# KiCad board motordecoder2-k3066v3-p.kicad_pcb (continued)
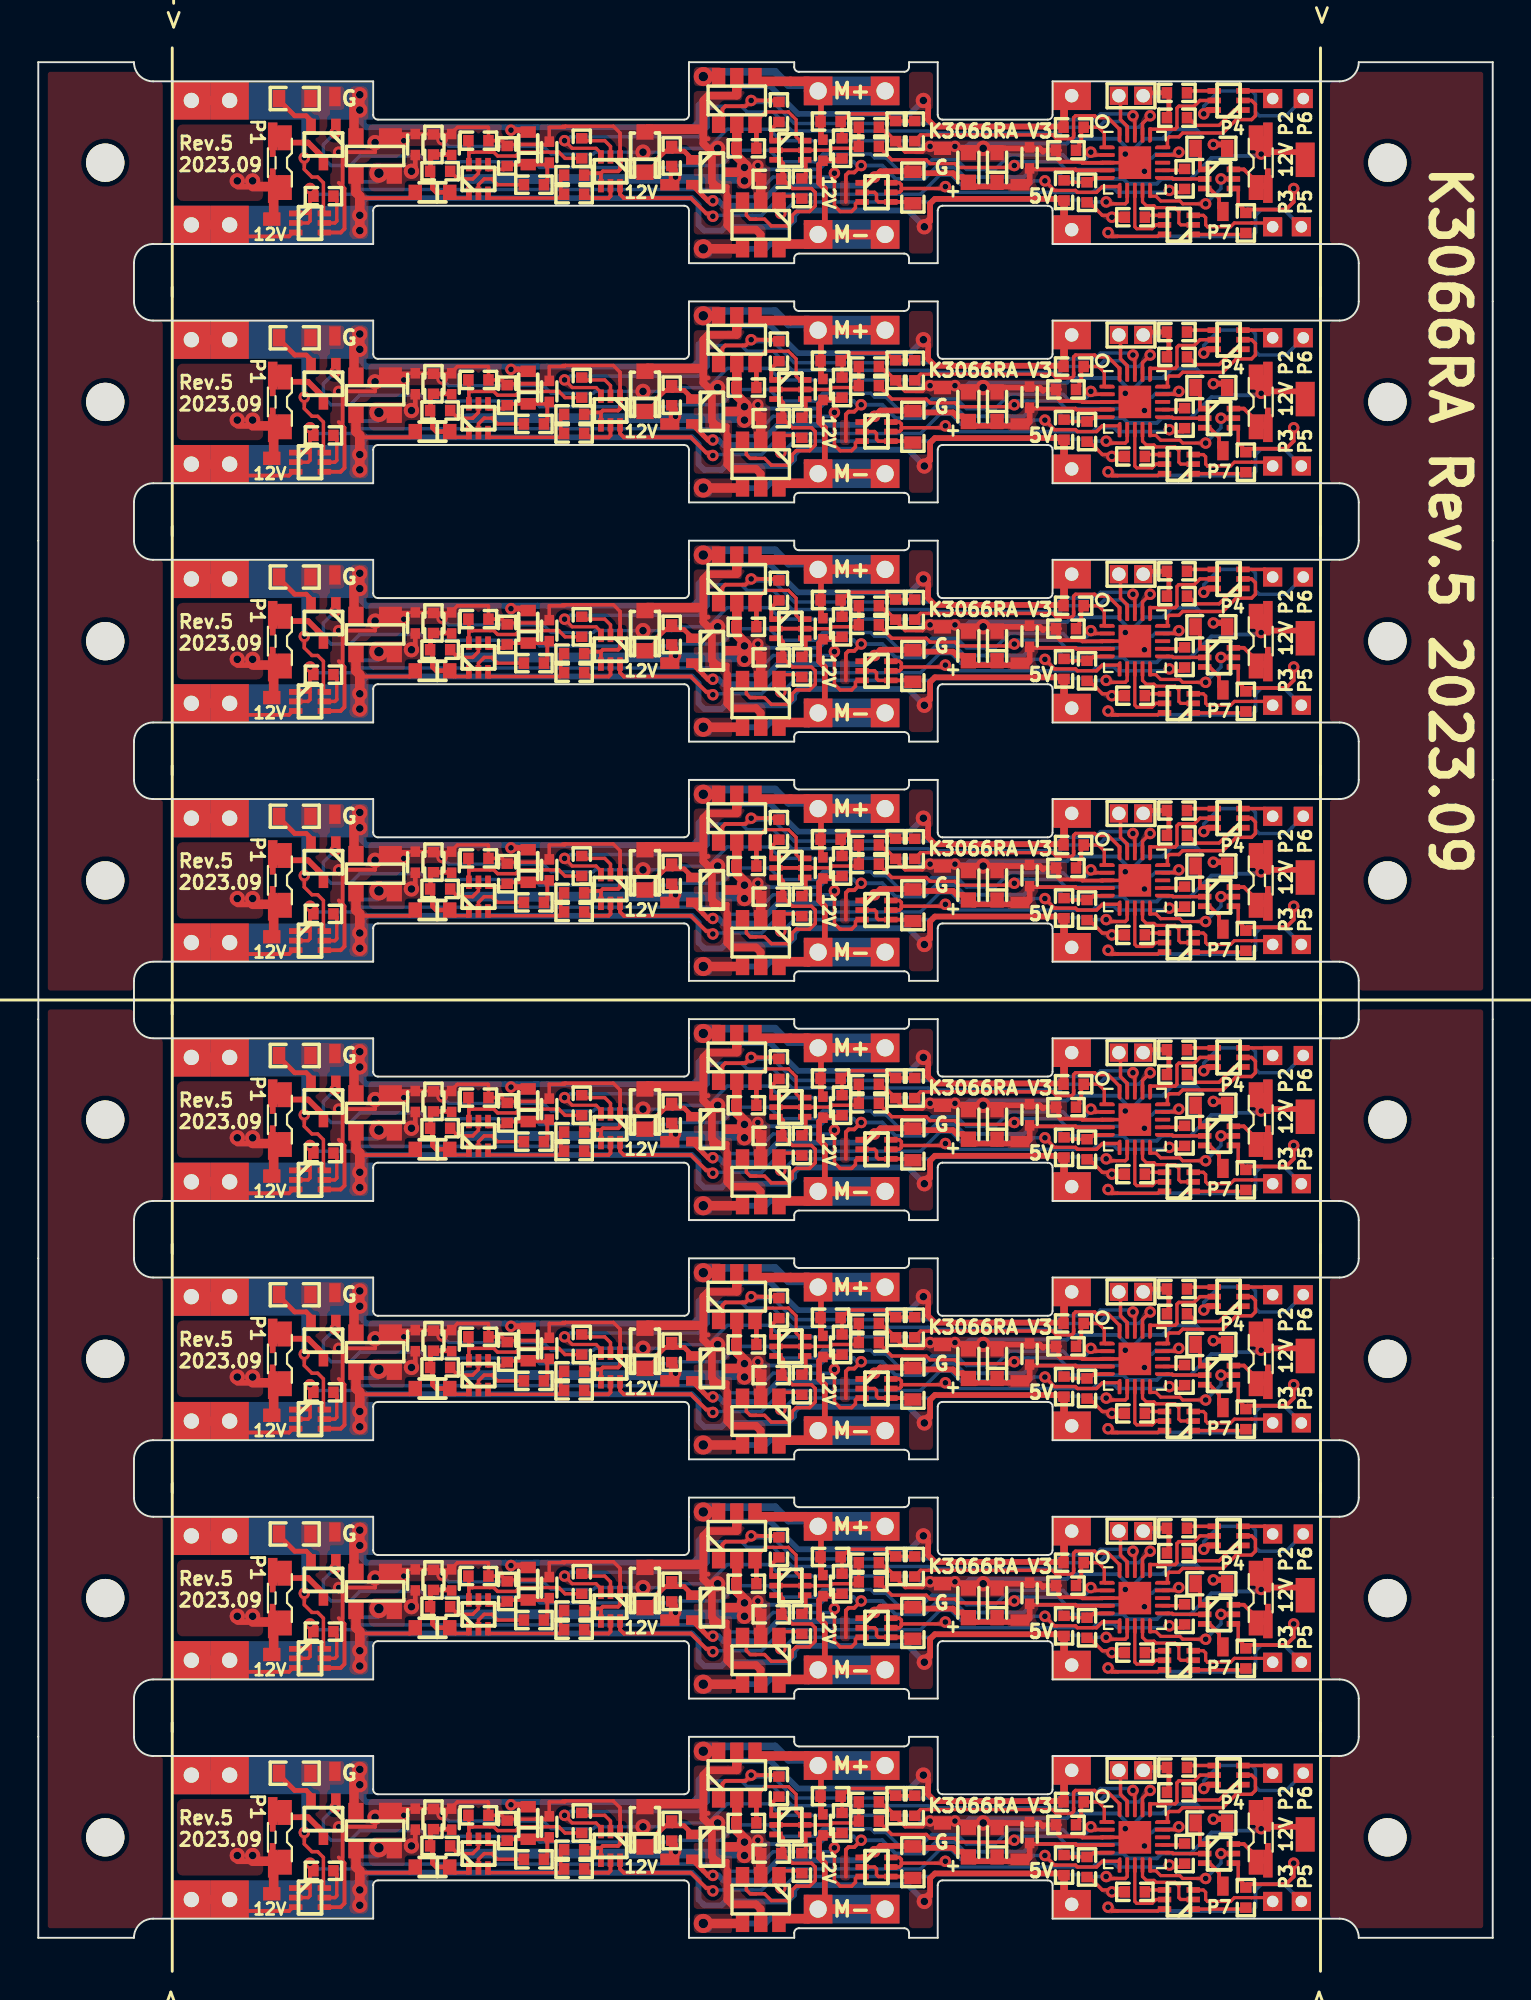
[diagram p0: board, top side]
## Routing (per net, layer and track width the routed paths; a pad name or vN(x,y) marks a point on that pad's centre or on a via; arc(x,y) is an arc through that point) (continued)
GND: length 903
  Top w0.18: 62.7,28.9 62.7,28.1 63.07,27.72 ; 27.55,7.15 27.5,7.1 26.7,7.1 C55.2 26.55,6.2 26.1,6.2 ; 27.55,7.15 27.4,7.15 ; 27.55,7.15 30.05,7.15 30.4,6.8 ; D9.1 18.55,44.25 C29.2 20.62,44.25 R158.2 21.57,44.22 C35.2 21.6,44.3 21.9,44.6 23.5,44.6 23.53,44.58 R155.2 24.22,43.9 R154.2 24.57,43.7 26.1,43.7 ; 26.1,68.7 24.57,68.7 R90.2 24.22,68.9 R91.2 23.53,69.58 23.5,69.6 21.9,69.6 21.6,69.3 C21.2 21.57,69.22 R94.2 20.62,69.25 C15.2 18.55,69.25 D5.1 ; 26.1,68.7 26,68.7 ; 26.1,68.7 26.55,68.7 C20.2 26.7,69.6 27.5,69.6 27.55,69.65 ; 47.3,31.1 46.5,31.1 46.2,30.8 45.3,30.8 44.72,31.38 44.7,31.38 ; 30.4,69.3 30.05,69.65 27.55,69.65 ; 54.7,28.28 54.82,28.28 55.6,27.5 56,27.5 v3(56.1,27.4) ; 27.4,82.15 27.55,82.15 ; 27.55,82.15 30.05,82.15 30.4,81.8 ; 27.55,82.15 27.5,82.1 26.7,82.1 C13.2 26.55,81.2 26.1,81.2 ; 62.7,66.4 62.7,65.6 63.07,65.22 ; 27.55,19.65 27.5,19.6 26.7,19.6 C48.2 26.55,18.7 26.1,18.7 ; 27.55,19.65 30.05,19.65 30.4,19.3 ; 27.55,19.65 27.4,19.65 ; 26,6.2 26.1,6.2 ; 26.1,6.2 24.57,6.2 R250.2 24.22,6.4 R251.2 23.53,7.07 23.5,7.1 21.9,7.1 21.6,6.8 C56.2 21.57,6.72 R254.2 20.62,6.75 C50.2 18.55,6.75 D43.1 ; 63.07,2.72 62.9,2.9 ; 63.07,2.72 62.7,3.1 62.7,3.9 ; 63.07,2.72 63.1,2.72 ; v3(56.1,39.9) 56,40 55.6,40 54.82,40.78 54.7,40.78 ; 63.07,15.22 62.7,15.6 62.7,16.4 ; 63.07,15.22 63.1,15.22 ; 63.07,15.22 62.9,15.4 ; 26,43.7 26.1,43.7 ; 26.1,43.7 26.55,43.7 C34.2 26.7,44.6 27.5,44.6 27.55,44.65 ; 44.7,93.88 44.72,93.88 45.3,93.3 46.2,93.3 46.5,93.6 47.3,93.6 ; 26,93.7 26.1,93.7 ; 26.1,93.7 26.55,93.7 C11.2 26.7,94.6 27.5,94.6 27.55,94.65 ; 26.1,93.7 24.57,93.7 R32.2 24.22,93.9 R33.2 23.53,94.58 23.5,94.6 21.9,94.6 21.6,94.3 C12.2 21.57,94.22 R36.2 20.62,94.25 C1.2 18.55,94.25 D1.1 ; 56.05,55.25 57.5,55.25 ; R104.2 44,57.1 44.3,56.8 44.38,56.8 R112.2 ; 26.1,18.7 24.57,18.7 R218.2 24.22,18.9 R219.2 23.53,19.58 23.5,19.6 21.9,19.6 21.6,19.3 C49.2 21.57,19.22 R222.2 20.62,19.25 C43.2 18.55,19.25 D37.1 ; 26.1,18.7 26,18.7 ; v3(56.1,64.9) 56,65 55.6,65 54.82,65.78 54.7,65.78 ; 27.4,32.15 27.55,32.15 ; 27.55,32.15 30.05,32.15 30.4,31.8 ; 27.55,32.15 27.5,32.1 26.7,32.1 C41.2 26.55,31.2 26.1,31.2 ; 63.07,77.72 62.9,77.9 ; 63.07,77.72 63.1,77.72 ; 63.07,77.72 62.7,78.1 62.7,78.9 ; 26.1,81.2 24.57,81.2 R58.2 24.22,81.4 R59.2 23.53,82.08 23.5,82.1 21.9,82.1 21.6,81.8 C14.2 21.57,81.72 R62.2 20.62,81.75 C2.2 18.55,81.75 D2.1 ; 26.1,81.2 26,81.2 ; 54.7,15.78 54.82,15.78 55.6,15 56,15 v3(56.1,14.9) ; 26.1,31.2 26,31.2 ; 26.1,31.2 24.57,31.2 R186.2 24.22,31.4 R187.2 23.53,32.08 23.5,32.1 21.9,32.1 21.6,31.8 C42.2 21.57,31.72 R190.2 20.62,31.75 C36.2 18.55,31.75 D31.1 ; 63.07,52.72 63.1,52.72 ; 63.07,52.72 62.7,53.1 62.7,53.9 ; 63.07,52.72 62.9,52.9 ; 63.07,40.22 62.9,40.4 ; 63.07,40.22 62.7,40.6 62.7,41.4 ; 63.07,40.22 63.1,40.22 ; 63.07,27.72 62.9,27.9 ; 63.07,27.72 63.1,27.72 ; 63.07,65.22 62.9,65.4 ; 63.07,65.22 63.1,65.22 ; R16.2 44.38,94.3 44.3,94.3 44,94.6 R8.2 ; 30.4,44.3 30.05,44.65 27.55,44.65 ; 37.65,26.6 37.5,26.75 ; 54.7,78.28 54.82,78.28 55.6,77.5 56,77.5 v3(56.1,77.4) ; 54.7,90.78 54.82,90.78 55.6,90 56,90 v3(56.1,89.9) ; 56.05,92.75 57.5,92.75 ; 27.55,44.65 27.4,44.65 ; 37.65,39.1 37.5,39.25 ; D7.1 18.55,56.75 C22.2 20.62,56.75 R126.2 21.57,56.72 C28.2 21.6,56.8 21.9,57.1 23.5,57.1 23.53,57.08 R123.2 24.22,56.4 R122.2 24.57,56.2 26.1,56.2 ; 26,56.2 26.1,56.2 ; 26.1,56.2 26.55,56.2 C27.2 26.7,57.1 27.5,57.1 27.55,57.15 ; 56.05,42.75 57.5,42.75 ; 30.4,94.3 30.05,94.65 27.55,94.65 ; R200.2 44,19.6 44.3,19.3 44.38,19.3 R208.2 ; R48.2 44.38,81.8 44.3,81.8 44,82.1 R40.2 ; R136.2 44,44.6 44.3,44.3 44.38,44.3 R144.2 ; 47.3,43.6 46.5,43.6 46.2,43.3 45.3,43.3 44.72,43.88 44.7,43.88 ; 44.7,6.38 44.72,6.38 45.3,5.8 46.2,5.8 46.5,6.1 47.3,6.1 ; 37.65,89.1 37.5,89.25 ; R168.2 44,32.1 44.3,31.8 44.38,31.8 R176.2 ; 37.65,51.6 37.5,51.75 ; v3(56.1,52.4) 56,52.5 55.6,52.5 54.82,53.28 54.7,53.28 ; v3(56.1,2.4) 56,2.5 55.6,2.5 54.82,3.28 54.7,3.28 ; R232.2 44,7.1 44.3,6.8 44.38,6.8 R240.2 ; 27.4,69.65 27.55,69.65 ; 27.55,57.15 30.05,57.15 30.4,56.8 ; 27.55,57.15 27.4,57.15 ; R72.2 44,69.6 44.3,69.3 44.38,69.3 R80.2 ; 37.65,1.6 37.5,1.75 ; 63.07,90.22 63.1,90.22 ; 63.07,90.22 62.9,90.4 ; 63.07,90.22 62.7,90.6 62.7,91.4 ; 27.55,94.65 27.4,94.65 ; 37.65,64.1 37.5,64.25 ; 47.3,81.1 46.5,81.1 46.2,80.8 45.3,80.8 44.72,81.38 44.7,81.38 ; 37.65,76.6 37.5,76.75 ; 44.7,56.38 44.72,56.38 45.3,55.8 46.2,55.8 46.5,56.1 47.3,56.1 ; 37.65,14.1 37.5,14.25 ; 44.7,18.88 44.72,18.88 45.3,18.3 46.2,18.3 46.5,18.6 47.3,18.6 ; 56.05,30.25 57.5,30.25 ; 47.3,68.6 46.5,68.6 46.2,68.3 45.3,68.3 44.72,68.88 44.7,68.88 ; 56.05,5.25 57.5,5.25 ; 56.05,67.75 57.5,67.75 ; 56.05,17.75 57.5,17.75 ; 56.05,80.25 57.5,80.25
  Top w0.2: 53.4,93.4 53.28,93.4 53.3,93.4 ; 58,4.8 57.55,5.25 57.5,5.25 57.5,5.3 57.1,5.7 ; 15.9,29 15.9,30.8 17.6,30.8 v2(17.6,31.3) ; 15.9,29 16,28.9 16,26.8 15.8,26.6 Q66.4 ; 15.9,29 15.7,29.2 ; Q42.4 15.8,51.6 16,51.8 16,53.9 15.9,54 ; 57.1,93.2 57.5,92.8 57.5,92.75 57.55,92.75 58,92.3 ; R255.2 28.62,4.7 29.4,4.7 ; 15.9,54 15.7,54.2 ; 15.9,54 15.9,55.8 17.6,55.8 v2(17.6,56.3) ; 57.1,43.2 57.5,42.8 57.5,42.75 57.55,42.75 58,42.3 ; 57.1,55.7 57.5,55.3 57.5,55.25 57.55,55.25 58,54.8 ; 15.9,41.5 15.7,41.7 ; 15.9,41.5 15.9,43.3 17.6,43.3 v2(17.6,43.8) ; 15.9,41.5 16,41.4 16,39.3 15.8,39.1 Q54.4 ; 29.4,79.7 28.62,79.7 R63.2 ; 29.4,79.7 Q24.4 ; 29.4,79.7 29.5,79.8 30.3,79.8 30.4,79.9 Q24.1 30.4,81.8 ; 29.4,4.7 29.5,4.8 30.3,4.8 30.4,4.9 Q96.1 30.4,6.8 ; 29.4,4.7 Q96.4 ; 15.9,79 16,78.9 16,76.8 15.8,76.6 Q16.4 ; 15.9,79 15.7,79.2 ; 15.9,79 15.9,80.8 17.6,80.8 v2(17.6,81.3) ; 29.4,17.2 29.5,17.3 30.3,17.3 30.4,17.4 Q84.1 30.4,19.3 ; 29.4,17.2 28.62,17.2 R223.2 ; 29.4,17.2 Q84.4 ; 53.2,93.38 53.18,93.4 53.3,93.28 53.3,92.9 53.4,92.8 54.5,92.8 54.56,92.74 55.6,92.74 55.61,92.75 56.05,92.75 ; 29.4,42.2 29.5,42.3 30.3,42.3 30.4,42.4 Q60.1 30.4,44.3 ; 29.4,42.2 Q60.4 ; 29.4,42.2 28.62,42.2 R159.2 ; 57.1,80.7 57.5,80.3 57.5,80.25 57.55,80.25 58,79.8 ; 53.4,5.9 53.28,5.9 53.3,5.9 ; 63.1,27.72 63.18,27.8 65.2,27.8 65.6,28.2 v3(65.6,28.9) ; 15.9,4 15.7,4.2 ; 15.9,4 16,3.9 16,1.8 15.8,1.6 Q90.4 ; 15.9,4 15.9,5.8 17.6,5.8 v2(17.6,6.3) ; 29.4,92.2 29.5,92.3 30.3,92.3 30.4,92.4 Q22.1 30.4,94.3 ; 29.4,92.2 28.62,92.2 R37.2 ; 29.4,92.2 Q22.4 ; 53.2,5.88 53.18,5.9 53.3,5.78 53.3,5.4 53.4,5.3 54.5,5.3 54.56,5.24 55.6,5.24 55.61,5.25 56.05,5.25 ; 53.3,80.9 53.28,80.9 53.4,80.9 ; 15.9,66.5 16,66.4 16,64.3 15.8,64.1 Q30.4 ; 15.9,66.5 15.9,68.3 17.6,68.3 v2(17.6,68.8) ; 15.9,66.5 15.7,66.7 ; 53.2,80.88 53.18,80.9 53.3,80.78 53.3,80.4 53.4,80.3 54.5,80.3 54.56,80.24 55.6,80.24 55.61,80.25 56.05,80.25 ; 57.1,68.2 57.5,67.8 57.5,67.75 57.55,67.75 58,67.3 ; v3(65.6,41.4) 65.6,40.7 65.2,40.3 63.18,40.3 63.1,40.22 ; 30.4,69.3 Q36.1 30.4,67.4 30.3,67.3 29.5,67.3 29.4,67.2 ; 53.3,43.4 53.28,43.4 53.4,43.4 ; v3(65.6,53.9) 65.6,53.2 65.2,52.8 63.18,52.8 63.1,52.72 ; 63.1,2.72 63.18,2.8 65.2,2.8 65.6,3.2 v3(65.6,3.9) ; 63.1,77.72 63.18,77.8 65.2,77.8 65.6,78.2 v3(65.6,78.9) ; 29.4,29.7 Q72.4 ; 29.4,29.7 28.62,29.7 R191.2 ; 29.4,29.7 29.5,29.8 30.3,29.8 30.4,29.9 Q72.1 30.4,31.8 ; 53.4,68.4 53.28,68.4 53.3,68.4 ; 63.1,90.22 63.18,90.3 65.2,90.3 65.6,90.7 v3(65.6,91.4) ; 57.1,18.2 57.5,17.8 57.5,17.75 57.55,17.75 58,17.3 ; 53.4,30.9 53.28,30.9 53.3,30.9 ; 58,29.8 57.55,30.25 57.5,30.25 57.5,30.3 57.1,30.7 ; R95.2 28.62,67.2 29.4,67.2 ; v3(65.6,16.4) 65.6,15.7 65.2,15.3 63.18,15.3 63.1,15.22 ; 53.4,55.9 53.28,55.9 53.3,55.9 ; 56.05,17.75 55.61,17.75 55.6,17.74 54.56,17.74 54.5,17.8 53.4,17.8 53.3,17.9 53.3,18.28 53.18,18.4 53.2,18.38 ; 29.4,67.2 Q36.4 ; 15.9,91.5 16,91.4 16,89.3 15.8,89.1 Q8.4 ; 15.9,91.5 15.7,91.7 ; 15.9,91.5 15.9,93.3 17.6,93.3 v2(17.6,93.8) ; 53.2,68.38 53.18,68.4 53.3,68.28 53.3,67.9 53.4,67.8 54.5,67.8 54.56,67.74 55.6,67.74 55.61,67.75 56.05,67.75 ; 29.4,54.7 Q48.4 ; 29.4,54.7 29.5,54.8 30.3,54.8 30.4,54.9 Q48.1 30.4,56.8 ; 29.4,54.7 28.62,54.7 R127.2 ; 56.05,55.25 55.61,55.25 55.6,55.24 54.56,55.24 54.5,55.3 53.4,55.3 53.3,55.4 53.3,55.78 53.18,55.9 53.2,55.88 ; 53.2,30.88 53.18,30.9 53.3,30.78 53.3,30.4 53.4,30.3 54.5,30.3 54.56,30.24 55.6,30.24 55.61,30.25 56.05,30.25 ; 15.9,16.5 16,16.4 16,14.3 15.8,14.1 Q78.4 ; 15.9,16.5 15.9,18.3 17.6,18.3 v2(17.6,18.8) ; 15.9,16.5 15.7,16.7 ; 53.2,43.38 53.18,43.4 53.3,43.28 53.3,42.9 53.4,42.8 54.5,42.8 54.56,42.74 55.6,42.74 55.61,42.75 56.05,42.75 ; v3(65.6,66.4) 65.6,65.7 65.2,65.3 63.18,65.3 63.1,65.22 ; 53.4,18.4 53.28,18.4 53.3,18.4
  Top w0.25: 36,28.5 36,29 35.5,29 ; 36,66 36,66.5 35.5,66.5 ; 57.74,96.25 57.88,96.4 59.07,96.4 59.07,95.3 ; 35,69 34.75,69 ; 59.07,7.8 59.07,8.9 57.88,8.9 57.74,8.75 ; 35.5,4 36,4 36,3.5 ; 35.5,41.5 36,41.5 36,41 ; 35,19 34.75,19 ; 53.18,43.4 52.43,43.4 52.32,43.5 ; 35.5,54 36,54 36,53.5 ; 59.07,82.8 59.07,83.9 57.88,83.9 57.74,83.75 ; 57.74,21.25 57.88,21.4 59.07,21.4 59.07,20.3 ; 35,31.5 34.75,31.5 ; 35,81.5 34.75,81.5 ; 52.32,93.5 52.43,93.4 53.18,93.4 ; 35,44 34.75,44 ; 36,78.5 36,79 35.5,79 ; 52.32,56 52.43,55.9 53.18,55.9 ; 52.32,68.5 52.43,68.4 53.18,68.4 ; 35,56.5 34.75,56.5 ; 57.74,71.25 57.88,71.4 59.07,71.4 59.07,70.3 ; 53.18,80.9 52.43,80.9 52.32,81 ; 35.5,16.5 36,16.5 36,16 ; 35.5,91.5 36,91.5 36,91 ; 59.07,57.8 59.07,58.9 57.88,58.9 57.74,58.75 ; 53.18,30.9 52.43,30.9 52.32,31 ; 57.74,33.75 57.88,33.9 59.07,33.9 59.07,32.8 ; 53.18,18.4 52.43,18.4 52.32,18.5 ; 35,6.5 34.75,6.5 ; 35,94 34.75,94 ; 59.07,45.3 59.07,46.4 57.88,46.4 57.74,46.25 ; 52.32,6 52.43,5.9 53.18,5.9
  Top w0.3: 49.03,93.5 48.25,93.5 ; 52.5,55.83 52.32,56 49.53,56 49.3,55.78 ; 49.03,43.5 48.25,43.5 ; 49.03,6 48.25,6 ; 49.3,5.78 49.53,6 52.32,6 52.5,5.82 ; R180.2 61.93,31.2 v3(61.4,31.2) ; v3(47.9,6.1) 47.62,6.1 ; 52.5,30.83 52.32,31 49.53,31 49.3,30.78 ; 52.5,93.33 52.32,93.5 49.53,93.5 49.3,93.28 ; 49.03,18.5 48.25,18.5 ; 52.5,80.83 52.32,81 49.53,81 49.3,80.78 ; 49.3,68.28 49.53,68.5 52.32,68.5 52.5,68.33 ; v3(61.4,93.7) 61.93,93.7 R22.2 ; 49.03,68.5 48.25,68.5 ; R84.2 61.93,68.7 v3(61.4,68.7) ; 49.03,31 48.25,31 ; R116.2 61.93,56.2 v3(61.4,56.2) ; R148.2 61.93,43.7 v3(61.4,43.7) ; R212.2 61.93,18.7 v3(61.4,18.7) ; 49.03,81 48.25,81 ; 49.03,56 48.25,56 ; R52.2 61.93,81.2 v3(61.4,81.2) ; v3(47.9,81.1) 47.62,81.1 ; 49.3,18.28 49.53,18.5 52.32,18.5 52.5,18.33 ; v3(47.9,18.6) 47.62,18.6 ; R244.2 61.93,6.2 v3(61.4,6.2) ; v3(47.9,68.6) 47.62,68.6 ; v3(47.9,93.6) 47.62,93.6 ; v3(47.9,43.6) 47.62,43.6 ; v3(47.9,31.1) 47.62,31.1 ; 52.5,43.33 52.32,43.5 49.53,43.5 49.3,43.28 ; v3(47.9,56.1) 47.62,56.1
  Top w0.4: Q38.5 37.75,51.5 37.5,51.75 36.25,51.75 36,52 36,53.5 ; 34.75,44.5 34.75,43.75 35,43.5 ; 34.75,44.5 34.75,46 35,46.25 36.5,46.25 ; 34.75,44.5 34.5,44.5 ; 35,6 34.75,6.25 34.75,7 ; 34.75,82 34.75,81.25 35,81 ; 34.75,82 34.75,83.5 35,83.75 36.5,83.75 ; 34.75,82 34.5,82 ; 34.5,19.5 34.75,19.5 ; 34.75,19.5 34.75,21 35,21.25 36.5,21.25 ; 34.75,19.5 34.75,18.75 35,18.5 ; 35.2,43.5 35.2,41.75 35.45,41.5 ; 35.2,68.5 35.2,66.75 35.45,66.5 ; 34.75,94.5 34.75,93.75 35,93.5 ; 34.75,94.5 34.5,94.5 ; 34.75,94.5 34.75,96 35,96.25 36.5,96.25 ; 35.45,91.5 35.2,91.75 35.2,93.5 ; 35.5,16.5 35.25,16.5 ; 36,3.5 36,2 36.25,1.75 37.5,1.75 37.75,1.5 Q86.5 ; 35.5,79 35.25,79 ; 35.5,41.5 35.25,41.5 ; 34.75,69.5 34.75,71 35,71.25 36.5,71.25 ; 34.75,69.5 34.5,69.5 ; 34.75,69.5 34.75,68.75 35,68.5 ; Q2.5 37.75,89 37.5,89.25 36.25,89.25 36,89.5 36,91 ; Q50.5 37.75,39 37.5,39.25 36.25,39.25 36,39.5 36,41 ; 34.5,32 34.75,32 ; 34.75,32 34.75,33.5 35,33.75 36.5,33.75 ; 34.75,32 34.75,31.25 35,31 ; 34.5,7 34.75,7 ; 34.75,7 34.75,8.5 35,8.75 36.5,8.75 ; 36,16 36,14.5 36.25,14.25 37.5,14.25 37.75,14 Q74.5 ; 35,56 34.75,56.25 34.75,57 ; 35.2,31 35.2,29.25 35.45,29 ; 34.5,57 34.75,57 ; 34.75,57 34.75,58.5 35,58.75 36.5,58.75 ; Q7.5 37.75,76.5 37.5,76.75 36.25,76.75 36,77 36,78.5 ; 36,66 36,64.5 36.25,64.25 37.5,64.25 37.75,64 Q26.5 ; 35.5,91.5 35.25,91.5 ; 35.5,66.5 35.25,66.5 ; Q62.5 37.75,26.5 37.5,26.75 36.25,26.75 36,27 36,28.5 ; 35.5,54 35.25,54 ; 35.2,56 35.2,54.25 35.45,54 ; 35.45,4 35.2,4.25 35.2,6 ; 35.5,4 35.25,4 ; 35.2,81 35.2,79.25 35.45,79 ; 35.45,16.5 35.2,16.75 35.2,18.5 ; 35.5,29 35.25,29
  Top w0.5: 34.5,94.5 31.85,94.5 D3.2 ; v3(56.1,39.9) R150.2 ; 34.5,19.5 31.85,19.5 D38.2 ; 34.5,44.5 31.85,44.5 D10.2 ; v3(56.1,27.4) R182.2 ; v3(56.1,64.9) R86.2 ; D32.2 31.85,32 34.5,32 ; v3(56.1,52.4) R118.2 ; D4.2 31.85,82 34.5,82 ; 34.5,57 31.85,57 D8.2 ; 36.5,47.25 36.5,46.3 ; v3(56.1,89.9) R24.2 ; 36.5,22.25 36.5,21.3 ; 36.5,9.75 36.5,8.8 ; 36.5,72.25 36.5,71.3 ; D6.2 31.85,69.5 34.5,69.5 ; 36.5,59.75 36.5,58.8 ; 36.5,97.25 36.5,96.3 ; D44.2 31.85,7 34.5,7 ; 36.5,34.75 36.5,33.8 ; v3(56.1,77.4) R54.2 ; v3(56.1,2.4) R246.2 ; 36.5,84.75 36.5,83.8 ; v3(56.1,14.9) R214.2
  Bottom w0.17: v2(35.5,68.5) 33.3,68.5 33.1,68.3 v2(31.6,68.3) 29.1,68.3 29,68.2 26.8,68.2 26.4,68.6 21.45,68.6 v3(21.1,68.95) ; v2(35.5,18.5) 33.3,18.5 33.1,18.3 v2(31.6,18.3) 29.1,18.3 29,18.2 26.8,18.2 26.4,18.6 21.45,18.6 v3(21.1,18.95) ; v2(35.5,56) 33.3,56 33.1,55.8 v2(31.6,55.8) 29.1,55.8 29,55.7 26.8,55.7 26.4,56.1 21.45,56.1 v3(21.1,56.45) ; v3(21.1,93.95) 21.45,93.6 26.4,93.6 26.8,93.2 29,93.2 29.1,93.3 v2(31.6,93.3) 33.1,93.3 33.3,93.5 v2(35.5,93.5) ; v2(35.5,6) 33.3,6 33.1,5.8 v2(31.6,5.8) 29.1,5.8 29,5.7 26.8,5.7 26.4,6.1 21.45,6.1 v3(21.1,6.45) ; v2(35.5,43.5) 33.3,43.5 33.1,43.3 v2(31.6,43.3) 29.1,43.3 29,43.2 26.8,43.2 26.4,43.6 21.45,43.6 v3(21.1,43.95) ; v2(35.5,31) 33.3,31 33.1,30.8 v2(31.6,30.8) 29.1,30.8 29,30.7 26.8,30.7 26.4,31.1 21.45,31.1 v3(21.1,31.45) ; v2(35.5,81) 33.3,81 33.1,80.8 v2(31.6,80.8) 29.1,80.8 29,80.7 26.8,80.7 26.4,81.1 21.45,81.1 v3(21.1,81.45)
  Bottom w0.18: 46.1,81.1 45.8,81.4 38.8,81.4 38.2,82 36,82 35.1,81.1 35.1,81 ; 46.1,18.6 45.8,18.9 38.8,18.9 38.2,19.5 36,19.5 35.1,18.6 35.1,18.5 ; 35.1,31 35.1,31.1 36,32 38.2,32 38.8,31.4 45.8,31.4 46.1,31.1 ; 46.1,56.1 45.8,56.4 38.8,56.4 38.2,57 36,57 35.1,56.1 35.1,56 ; 46.1,6.1 45.8,6.4 38.8,6.4 38.2,7 36,7 35.1,6.1 35.1,6 ; 35.1,43.5 35.1,43.6 36,44.5 38.2,44.5 38.8,43.9 45.8,43.9 46.1,43.6 ; 46.1,68.6 45.8,68.9 38.8,68.9 38.2,69.5 36,69.5 35.1,68.6 35.1,68.5 ; 35.1,93.5 35.1,93.6 36,94.5 38.2,94.5 38.8,93.9 45.8,93.9 46.1,93.6
  Bottom w0.2: 48.55,18.65 48.4,18.5 ; 48.55,18.65 48.5,18.6 v3(47.9,18.6) 46.1,18.6 ; 48.55,18.65 48.65,18.75 53.75,18.75 54,19 56.4,19 57.1,18.3 57.8,19 58.75,19 59.25,19.5 60.5,19.5 60.75,19.25 ; 60.75,56.75 60.5,57 59.25,57 58.75,56.5 57.8,56.5 57.1,55.8 56.4,56.5 54,56.5 53.75,56.25 48.65,56.25 48.55,56.15 ; 46.1,81.1 v3(47.9,81.1) 48.5,81.1 48.55,81.15 ; 48.55,68.65 48.4,68.5 ; 48.55,68.65 48.65,68.75 53.75,68.75 54,69 56.4,69 57.1,68.3 57.8,69 58.75,69 59.25,69.5 60.5,69.5 60.75,69.25 ; 48.55,68.65 48.5,68.6 v3(47.9,68.6) 46.1,68.6 ; 46.1,56.1 v3(47.9,56.1) 48.5,56.1 48.55,56.15 ; 60.75,94.25 60.5,94.5 59.25,94.5 58.75,94 57.8,94 57.1,93.3 56.4,94 54,94 53.75,93.75 48.65,93.75 48.55,93.65 ; 48.55,56.15 48.4,56 ; 48.55,93.65 48.5,93.6 v3(47.9,93.6) 46.1,93.6 ; 48.55,93.65 48.4,93.5 ; 48.55,43.65 48.4,43.5 ; 48.55,43.65 48.5,43.6 v3(47.9,43.6) 46.1,43.6 ; 48.55,43.65 48.65,43.75 53.75,43.75 54,44 56.4,44 57.1,43.3 57.8,44 58.75,44 59.25,44.5 60.5,44.5 60.75,44.25 ; 48.55,81.15 48.4,81 ; 48.55,81.15 48.65,81.25 53.75,81.25 54,81.5 56.4,81.5 57.1,80.8 57.8,81.5 58.75,81.5 59.25,82 60.5,82 60.75,81.75 ; 60.75,6.75 60.5,7 59.25,7 58.75,6.5 57.8,6.5 57.1,5.8 56.4,6.5 54,6.5 53.75,6.25 48.65,6.25 48.55,6.15 ; 48.55,31.15 48.4,31 ; 48.55,31.15 48.5,31.1 v3(47.9,31.1) 46.1,31.1 ; 48.55,31.15 48.65,31.25 53.75,31.25 54,31.5 56.4,31.5 57.1,30.8 57.8,31.5 58.75,31.5 59.25,32 60.5,32 60.75,31.75 ; 48.55,6.15 48.4,6 ; 48.55,6.15 48.5,6.1 v3(47.9,6.1) 46.1,6.1
  Bottom w0.3: 57.74,96.25 58.5,96.25 ; 57.74,33.75 58.5,33.75 ; 57.74,8.75 58.5,8.75 ; 57.74,83.75 58.5,83.75 ; 57.74,46.25 58.5,46.25 ; 57.74,58.75 58.5,58.75 ; 57.74,71.25 58.5,71.25 ; 57.74,21.25 58.5,21.25
  vias: v2(49.38,93.5) v2(49.38,81) v2(49.38,68.5) v2(49.38,56) v2(49.38,43.5) v2(49.38,31) v2(49.38,18.5) v2(49.38,6) v3(15.7,93.3) v3(15.7,80.8) v3(15.7,68.3) v3(15.7,55.8) v3(15.7,43.3) v3(15.7,30.8) v3(15.7,18.3) v3(15.7,5.8) v3(19.1,93.9) v3(19.1,81.4) v3(19.1,68.9) v3(19.1,56.4) v3(19.1,43.9) v3(19.1,31.4) v3(19.1,18.9) v3(19.1,6.4) v3(46.6,93.6) v3(46.6,81.1) v3(46.6,68.6) v3(46.6,56.1) v3(46.6,43.6) v3(46.6,31.1) v3(46.6,18.6) v3(46.6,6.1) v3(56.8,93.2) v3(56.8,80.7) v3(56.8,68.2) v3(56.8,55.7) v3(56.8,43.2) v3(56.8,30.7) v3(56.8,18.2) v3(56.8,5.7) v3(57.8,92.3) v3(57.8,79.8) v3(57.8,67.3) v3(57.8,54.8) v3(57.8,42.3) v3(57.8,29.8) v3(57.8,17.3) v3(57.8,4.8)
ABC+: length 230.1
  Top w0.18: 52.7,66.7 53.1,66.3 54.2,66.3 54.3,66.2 55.3,66.2 55.6,66.5 56.5,66.5 U4.6 ; U8.6 56.5,16.5 55.6,16.5 55.3,16.2 54.3,16.2 54.2,16.3 53.1,16.3 52.7,16.7 ; 52.7,41.7 53.1,41.3 54.2,41.3 54.3,41.2 55.3,41.2 55.6,41.5 56.5,41.5 U6.6 ; U7.6 56.5,29 55.6,29 55.3,28.7 54.3,28.7 54.2,28.8 53.1,28.8 52.7,29.2 ; U5.6 56.5,54 55.6,54 55.3,53.7 54.3,53.7 54.2,53.8 53.1,53.8 52.7,54.2 ; U3.6 56.5,79 55.6,79 55.3,78.7 54.3,78.7 54.2,78.8 53.1,78.8 52.7,79.2 ; 52.7,4.2 53.1,3.8 54.2,3.8 54.3,3.7 55.3,3.7 55.6,4 56.5,4 U9.6 ; U2.6 56.5,91.5 55.6,91.5 55.3,91.2 54.3,91.2 54.2,91.3 53.1,91.3 52.7,91.7
  Top w0.2: Q60.6 30.4,41.1 30.6,40.9 34.1,40.9 34.9,40.1 35.1,40.1 v3(35.25,39.95) ; Q36.6 30.4,66.1 30.6,65.9 34.1,65.9 34.9,65.1 35.1,65.1 v3(35.25,64.95) ; v3(35.25,89.95) 35.1,90.1 34.9,90.1 34.1,90.9 30.6,90.9 30.4,91.1 Q22.6 ; Q96.6 30.4,3.6 30.6,3.4 34.1,3.4 34.9,2.6 35.1,2.6 v3(35.25,2.45) ; 35.25,2.5 35.15,2.6 ; 35.25,27.5 35.15,27.6 ; 35.25,77.5 35.15,77.6 ; Q72.6 30.4,28.6 30.6,28.4 34.1,28.4 34.9,27.6 35.1,27.6 v3(35.25,27.45) ; Q48.6 30.4,53.6 30.6,53.4 34.1,53.4 34.9,52.6 35.1,52.6 v3(35.25,52.45) ; 35.25,15 35.15,15.1 ; Q84.6 30.4,16.1 30.6,15.9 34.1,15.9 34.9,15.1 35.1,15.1 v3(35.25,14.95) ; 35.25,52.5 35.15,52.6 ; Q24.6 30.4,78.6 30.6,78.4 34.1,78.4 34.9,77.6 35.1,77.6 v3(35.25,77.45) ; 35.25,90 35.15,90.1 ; 35.25,65 35.15,65.1 ; 35.25,40 35.15,40.1
  Bottom w0.18: v3(52.6,91.8) 52,91.8 51.8,91.6 48.2,91.6 47.7,92.1 47.1,92.1 46.1,91.1 38.9,91.1 37.8,90 35.25,90 ; 35.25,27.5 37.8,27.5 38.9,28.6 46.1,28.6 47.1,29.6 47.7,29.6 48.2,29.1 51.8,29.1 52,29.3 v3(52.6,29.3) ; 35.25,65 37.8,65 38.9,66.1 46.1,66.1 47.1,67.1 47.7,67.1 48.2,66.6 51.8,66.6 52,66.8 v3(52.6,66.8) ; 35.25,52.5 37.8,52.5 38.9,53.6 46.1,53.6 47.1,54.6 47.7,54.6 48.2,54.1 51.8,54.1 52,54.3 v3(52.6,54.3) ; v3(52.6,4.3) 52,4.3 51.8,4.1 48.2,4.1 47.7,4.6 47.1,4.6 46.1,3.6 38.9,3.6 37.8,2.5 35.25,2.5 ; 35.25,40 37.8,40 38.9,41.1 46.1,41.1 47.1,42.1 47.7,42.1 48.2,41.6 51.8,41.6 52,41.8 v3(52.6,41.8) ; v3(52.6,79.3) 52,79.3 51.8,79.1 48.2,79.1 47.7,79.6 47.1,79.6 46.1,78.6 38.9,78.6 37.8,77.5 35.25,77.5 ; v3(52.6,16.8) 52,16.8 51.8,16.6 48.2,16.6 47.7,17.1 47.1,17.1 46.1,16.1 38.9,16.1 37.8,15 35.25,15
ABC-: length 293.7
  Top w0.17: Q84.3 29.4,18.25 29.15,18.5 27.9,18.5 v3(27.5,18.9) ; Q72.3 29.4,30.75 29.15,31 27.9,31 v3(27.5,31.4) ; v3(27.5,6.4) 27.9,6 29.15,6 29.4,5.75 Q96.3 ; Q60.3 29.4,43.25 29.15,43.5 27.9,43.5 v3(27.5,43.9) ; Q36.3 29.4,68.25 29.15,68.5 27.9,68.5 v3(27.5,68.9) ; v3(27.5,81.4) 27.9,81 29.15,81 29.4,80.75 Q24.3 ; Q22.3 29.4,93.25 29.15,93.5 27.9,93.5 v3(27.5,93.9) ; v3(27.5,56.4) 27.9,56 29.15,56 29.4,55.75 Q48.3
  Top w0.18: v3(58.1,95.2) 57.7,94.8 U2.17 ; v3(58.1,20.2) 57.7,19.8 U8.17 ; U7.17 57.7,32.3 v3(58.1,32.7) ; v3(58.1,7.7) 57.7,7.3 U9.17 ; U3.17 57.7,82.3 v3(58.1,82.7) ; v3(58.1,45.2) 57.7,44.8 U6.17 ; U4.17 57.7,69.8 v3(58.1,70.2) ; U5.17 57.7,57.3 v3(58.1,57.7)
  Bottom w0.18: 58.3,70.2 58.3,70.1 ; v3(27.5,31.4) 27.6,31.4 27.8,31.6 34.5,31.6 35,32.1 35,33 35.2,33.2 36.74,33.2 37.04,32.9 38.4,32.9 39.4,31.9 46.5,31.9 46.6,31.8 53.4,31.8 53.7,32.1 55.4,32.1 55.7,32.4 56.6,32.4 56.9,32.1 57.5,32.1 v3(58.1,32.7) ; v3(27.5,6.4) 27.6,6.4 27.8,6.6 34.5,6.6 35,7.1 35,8 35.2,8.2 36.74,8.2 37.04,7.9 38.4,7.9 39.4,6.9 46.5,6.9 46.6,6.8 53.4,6.8 53.7,7.1 55.4,7.1 55.7,7.4 56.6,7.4 56.9,7.1 57.5,7.1 v3(58.1,7.7) ; 58.3,82.7 58.3,82.6 ; 58.3,95.2 58.3,95.1 ; 58.3,45.2 58.3,45.1 ; v3(27.5,18.9) 27.6,18.9 27.8,19.1 34.5,19.1 35,19.6 35,20.5 35.2,20.7 36.74,20.7 37.04,20.4 38.4,20.4 39.4,19.4 46.5,19.4 46.6,19.3 53.4,19.3 53.7,19.6 55.4,19.6 55.7,19.9 56.6,19.9 56.9,19.6 57.5,19.6 v3(58.1,20.2) ; v3(58.1,82.7) 57.5,82.1 56.9,82.1 56.6,82.4 55.7,82.4 55.4,82.1 53.7,82.1 53.4,81.8 46.6,81.8 46.5,81.9 39.4,81.9 38.4,82.9 37.04,82.9 36.74,83.2 35.2,83.2 35,83 35,82.1 34.5,81.6 27.8,81.6 27.6,81.4 v3(27.5,81.4) ; v3(27.5,56.4) 27.6,56.4 27.8,56.6 34.5,56.6 35,57.1 35,58 35.2,58.2 36.74,58.2 37.04,57.9 38.4,57.9 39.4,56.9 46.5,56.9 46.6,56.8 53.4,56.8 53.7,57.1 55.4,57.1 55.7,57.4 56.6,57.4 56.9,57.1 57.5,57.1 v3(58.1,57.7) ; 58.3,20.2 58.3,20.1 ; v3(27.5,93.9) 27.6,93.9 27.8,94.1 34.5,94.1 35,94.6 35,95.5 35.2,95.7 36.74,95.7 37.04,95.4 38.4,95.4 39.4,94.4 46.5,94.4 46.6,94.3 53.4,94.3 53.7,94.6 55.4,94.6 55.7,94.9 56.6,94.9 56.9,94.6 57.5,94.6 v3(58.1,95.2) ; v3(27.5,43.9) 27.6,43.9 27.8,44.1 34.5,44.1 35,44.6 35,45.5 35.2,45.7 36.74,45.7 37.04,45.4 38.4,45.4 39.4,44.4 46.5,44.4 46.6,44.3 53.4,44.3 53.7,44.6 55.4,44.6 55.7,44.9 56.6,44.9 56.9,44.6 57.5,44.6 v3(58.1,45.2) ; 58.3,32.7 58.3,32.6 ; v3(58.1,70.2) 57.5,69.6 56.9,69.6 56.6,69.9 55.7,69.9 55.4,69.6 53.7,69.6 53.4,69.3 46.6,69.3 46.5,69.4 39.4,69.4 38.4,70.4 37.04,70.4 36.74,70.7 35.2,70.7 35,70.5 35,69.6 34.5,69.1 27.8,69.1 27.6,68.9 v3(27.5,68.9) ; 58.3,7.7 58.3,7.6 ; 58.3,57.7 58.3,57.6
BEMF: length 102.3
  Top w0.18: 54.1,19.3 54.1,20.1 54.2,20.2 55.2,20.2 55.3,20.1 55.9,20.1 56.5,19.5 U8.20 ; 54.1,19.3 54.1,19.1 54,19 53.2,19 53,19.2 46.1,19.2 45.78,18.88 45.7,18.88 ; 54.1,19.3 54.1,19.2 ; 54.1,69.3 54.1,70.1 54.2,70.2 55.2,70.2 55.3,70.1 55.9,70.1 56.5,69.5 U4.20 ; 54.1,69.3 54.1,69.1 54,69 53.2,69 53,69.2 46.1,69.2 45.78,68.88 45.7,68.88 ; 54.1,69.3 54.1,69.2 ; 45.7,43.88 45.78,43.88 46.1,44.2 53,44.2 53.2,44 54,44 54.1,44.1 54.1,44.3 ; 45.7,81.38 45.78,81.38 46.1,81.7 53,81.7 53.2,81.5 54,81.5 54.1,81.6 54.1,81.8 ; 54.1,6.8 54.1,6.6 54,6.5 53.2,6.5 53,6.7 46.1,6.7 45.78,6.38 45.7,6.38 ; 54.1,6.8 54.1,6.7 ; 54.1,6.8 54.1,7.6 54.2,7.7 55.2,7.7 55.3,7.6 55.9,7.6 56.5,7 U9.20 ; 54.1,56.8 54.1,56.6 54,56.5 53.2,56.5 53,56.7 46.1,56.7 45.78,56.38 45.7,56.38 ; 54.1,56.8 54.1,57.6 54.2,57.7 55.2,57.7 55.3,57.6 55.9,57.6 56.5,57 U5.20 ; 54.1,56.8 54.1,56.7 ; U7.20 56.5,32 55.9,32.6 55.3,32.6 55.2,32.7 54.2,32.7 54.1,32.6 54.1,31.8 ; 54.1,44.3 54.1,45.1 54.2,45.2 55.2,45.2 55.3,45.1 55.9,45.1 56.5,44.5 U6.20 ; 54.1,44.3 54.1,44.2 ; U3.20 56.5,82 55.9,82.6 55.3,82.6 55.2,82.7 54.2,82.7 54.1,82.6 54.1,81.8 ; 54.1,94.3 54.1,95.1 54.2,95.2 55.2,95.2 55.3,95.1 55.9,95.1 56.5,94.5 U2.20 ; 54.1,94.3 54.1,94.1 54,94 53.2,94 53,94.2 46.1,94.2 45.78,93.88 45.7,93.88 ; 54.1,94.3 54.1,94.2 ; 54.1,81.8 54.1,81.7 ; 54.1,31.8 54.1,31.6 54,31.5 53.2,31.5 53,31.7 46.1,31.7 45.78,31.38 45.7,31.38 ; 54.1,31.8 54.1,31.7
Func1: length 374.7
  Top w0.18: 55.25,18.15 54.95,18.15 ; 55.25,18.15 55.1,18.3 ; 55.25,18.15 56.05,18.15 ; 56.05,5.65 55.25,5.65 ; 55.25,5.65 55.1,5.8 ; 55.25,5.65 54.95,5.65 ; 55.25,68.15 54.95,68.15 ; 55.25,68.15 56.05,68.15 ; 55.25,68.15 55.1,68.3 ; 55.15,80.65 v3(55,80.8) ; 55.15,93.15 v3(55,93.3) ; 55.25,80.65 54.95,80.65 ; 55.25,80.65 55.1,80.8 ; 55.25,80.65 56.05,80.65 ; 55.25,30.65 55.1,30.8 ; 55.25,30.65 54.95,30.65 ; 55.25,30.65 56.05,30.65 ; 55.15,68.15 v3(55,68.3) ; 55.25,43.15 54.95,43.15 ; 55.25,43.15 55.1,43.3 ; 55.25,43.15 56.05,43.15 ; 55.25,93.15 54.95,93.15 ; 55.25,93.15 55.1,93.3 ; 55.25,93.15 56.05,93.15 ; 55.15,55.65 v3(55,55.8) ; 56.05,55.65 55.25,55.65 ; 55.25,55.65 55.1,55.8 ; 55.25,55.65 54.95,55.65 ; 55.15,30.65 v3(55,30.8) ; 55.15,43.15 v3(55,43.3) ; 55.15,18.15 v3(55,18.3) ; 55.15,5.65 v3(55,5.8)